# KiCad board OLD_PCB.kicad_pcb (continued)
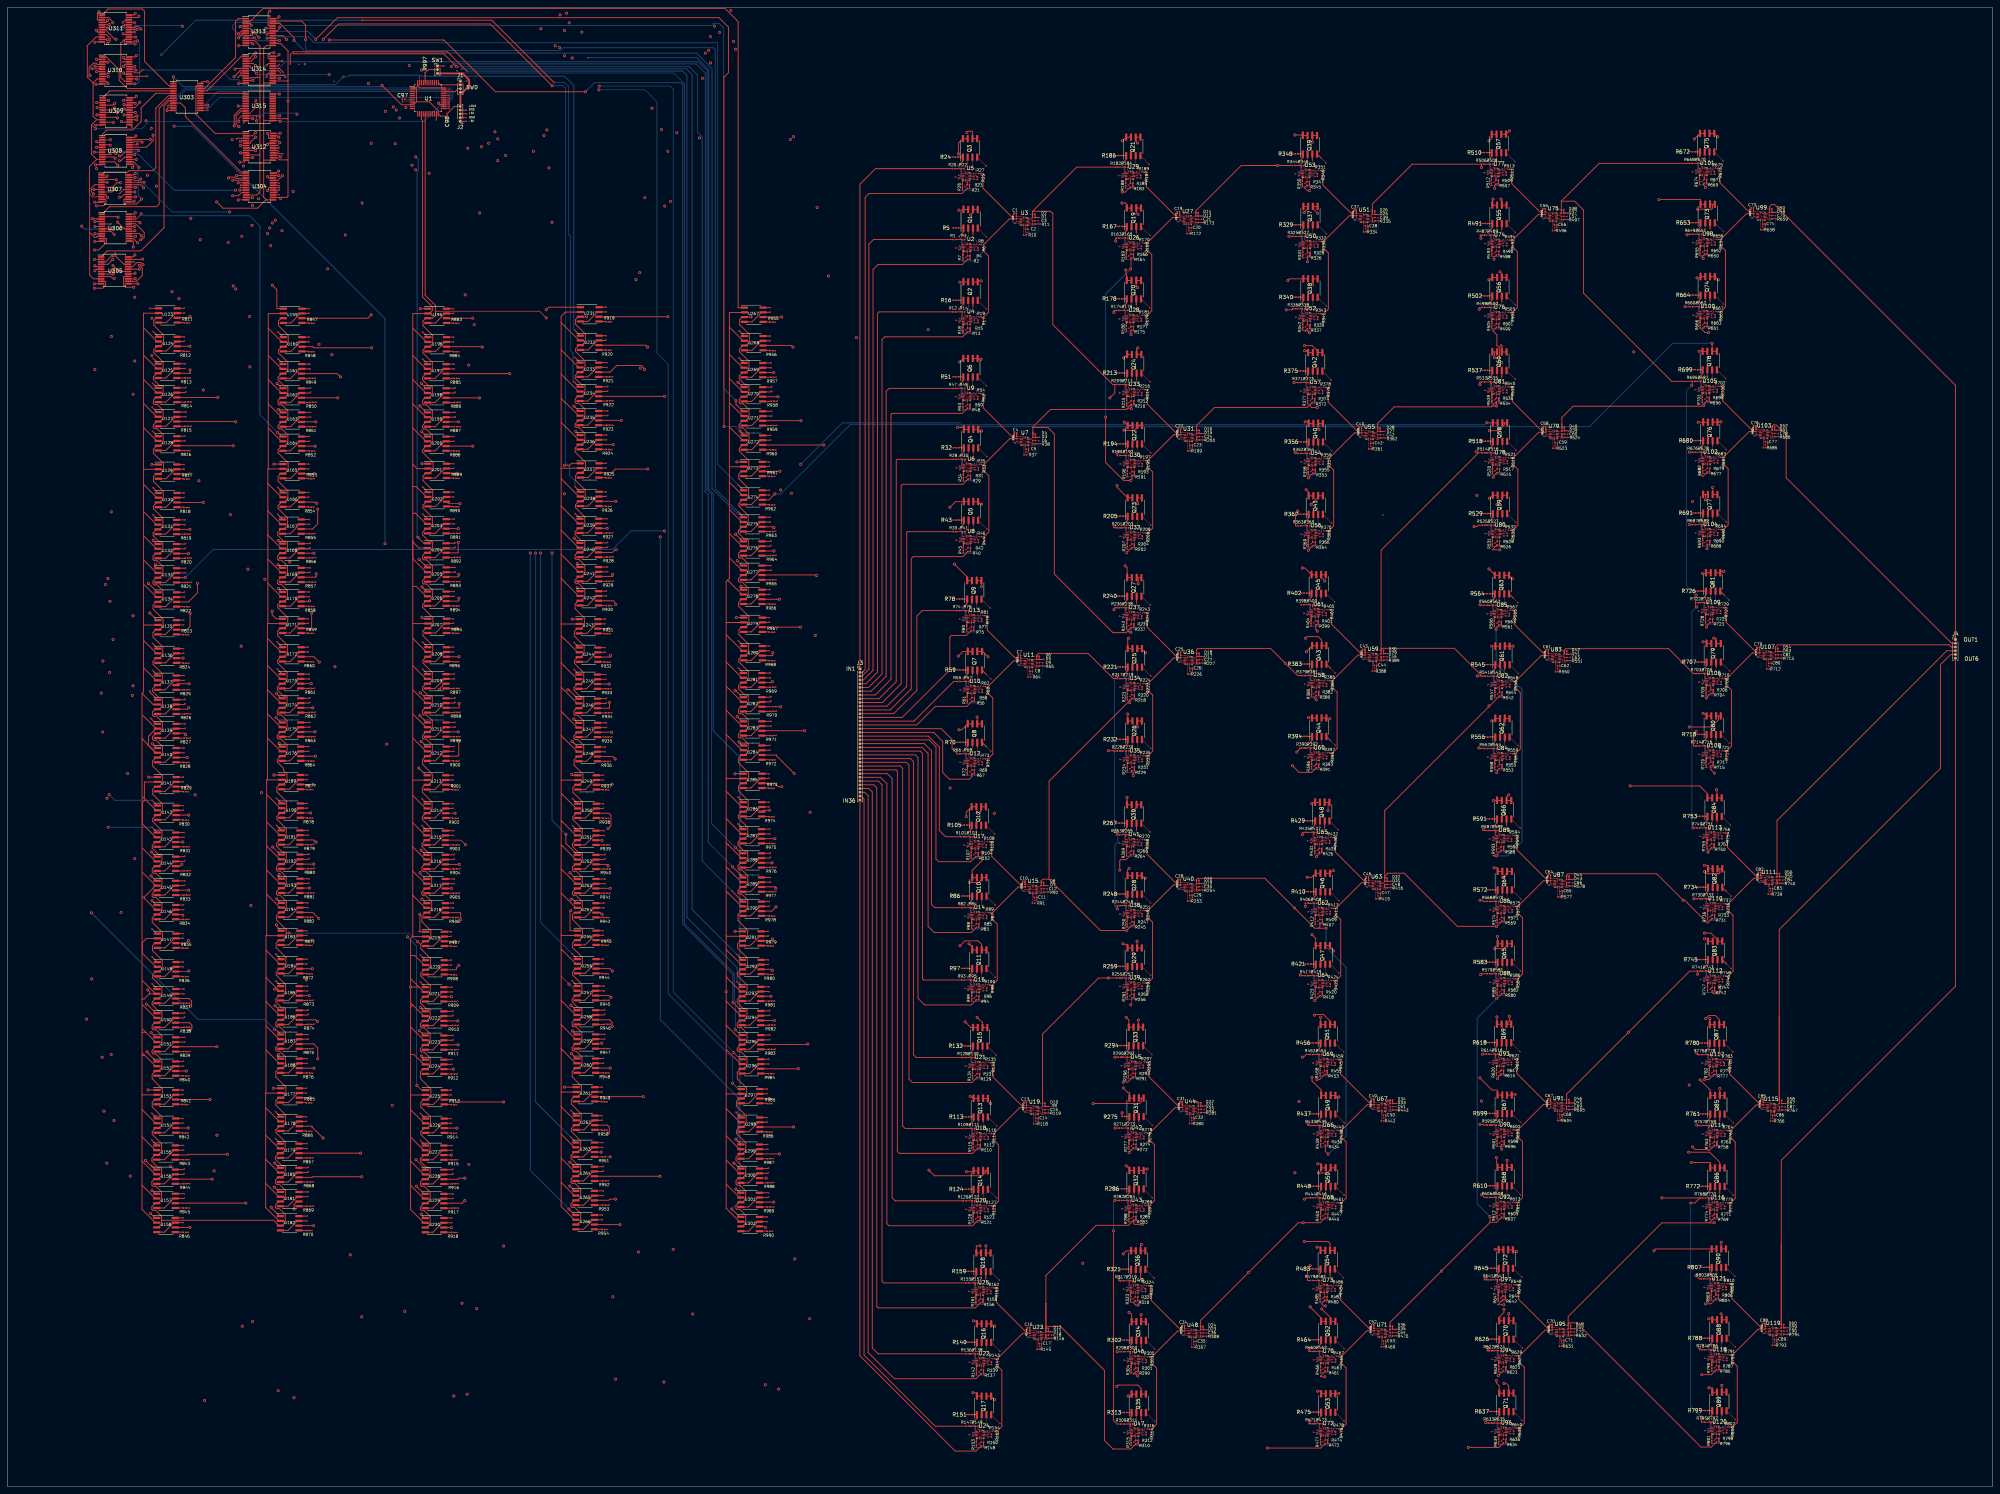
[diagram p0: board, top side]
## Routing (per net, layer and track width the routed paths; a pad name or vN(x,y) marks a point on that pad's centre or on a via; arc(x,y) is an arc through that point) (continued)
  Top w0.1: R646.1 401.13,52.34 v1(401.09,52.31) 400.76,52.64 U97.9 399.59,52.64 399.49,52.74 399.23,52.74 398.53,53.44 U97.2 397.1,53.44 v1(397.08,53.42) ; R141.1 261.81,32.58 v1(261.78,32.55) 261.44,32.88 260.27,32.88 260.17,32.98 259.92,32.98 259.22,33.68 257.78,33.68 v1(257.76,33.66) ; v1(297.78,331.65) 297.8,331.67 U26.2 299.23,331.67 299.93,330.97 300.19,330.97 300.28,330.87 U26.9 301.46,330.87 v1(301.79,330.53) 301.83,330.57 R168.1 ; 318.15,159.29 318.15,159.2 317.78,158.84 317.23,158.84 317.03,159.04 317.03,159.53 316.99,159.58 U40.9 U40.10 315.21,159.98 314.81,160.38 314.36,160.38 ; v1(299.08,34.22) 299.1,34.24 U46.2 300.53,34.24 301.23,33.54 301.49,33.54 301.59,33.44 U46.9 302.76,33.44 v1(303.09,33.11) 303.13,33.14 R303.1 ; 271.69,220.23 272.14,220.23 272.54,219.83 273.59,219.83 273.59,219.43 274.32,219.43 274.36,219.39 274.36,218.9 274.56,218.69 275.11,218.69 275.48,219.06 R65.2 ; v1(452.43,234.27) 452.45,234.29 453.89,234.29 454.59,233.59 454.84,233.59 454.94,233.49 456.11,233.49 v1(456.45,233.15) 456.48,233.19 R727.1 ; R349.1 348.83,349.94 v1(348.79,349.91) 348.46,350.24 U53.9 347.29,350.24 347.19,350.34 346.93,350.34 346.23,351.04 U53.2 344.8,351.04 v1(344.78,351.02) ; R44.1 258.32,252.14 v1(258.29,252.11) 257.95,252.44 256.78,252.44 256.68,252.54 256.43,252.54 255.73,253.24 254.29,253.24 v1(254.27,253.22) ; 354.48,112.5 353.58,112.5 v1(353.54,112.47) 353.21,112.8 352.03,112.8 351.94,112.9 351.68,112.9 350.98,113.6 349.55,113.6 v1(349.53,113.59) ; R592.1 400.69,172.34 v1(400.65,172.31) 400.32,172.64 U89.9 399.15,172.64 399.05,172.74 398.79,172.74 398.09,173.44 U89.2 396.66,173.44 v1(396.64,173.42) ; 353.18,152.9 352.28,152.9 v1(352.24,152.87) 351.91,153.2 350.73,153.2 350.63,153.3 350.38,153.3 349.68,154 348.25,154 v1(348.23,153.99) ; R808.1 458.01,52.59 v1(457.98,52.56) 457.64,52.89 U121.9 456.47,52.89 456.37,52.99 456.12,52.99 455.42,53.69 453.98,53.69 v1(453.96,53.67) ; v1(298.03,273.59) 298.05,273.6 299.48,273.6 300.18,272.9 300.44,272.9 300.53,272.8 301.71,272.8 v1(302.04,272.47) 302.08,272.5 302.98,272.5 ; R38.2 274.43,278.39 274.07,278.03 273.52,278.03 273.31,278.23 273.31,278.72 273.27,278.76 272.55,278.76 272.55,279.16 271.5,279.16 271.1,279.56 270.65,279.56 ; R241.1 301.93,231.84 v1(301.89,231.81) 301.56,232.14 U37.9 300.39,232.14 300.29,232.24 300.03,232.24 299.33,232.94 U37.2 297.9,232.94 v1(297.88,232.92) ; R92.2 276.67,158.67 276.3,158.3 275.75,158.3 275.55,158.51 275.55,159 275.51,159.04 274.78,159.04 274.78,159.44 273.73,159.44 273.33,159.84 272.88,159.84 ; R200.2 318.19,279.43 317.82,279.06 317.27,279.06 317.06,279.27 317.06,279.76 317.02,279.8 U31.9 U31.10 315.25,280.2 314.85,280.6 U31.2 ; R6.1 258.23,330.17 v1(258.19,330.13) 257.86,330.47 U2.9 256.69,330.47 256.58,330.57 256.33,330.57 255.63,331.27 U2.2 254.2,331.27 v1(254.18,331.25) ; U3.2 271,338.26 271.4,337.86 272.45,337.86 272.45,337.46 U3.9 273.17,337.46 273.21,337.42 273.21,336.93 273.42,336.73 273.97,336.73 274.33,337.09 R11.2 ; 315.45,41.24 315.9,41.24 316.3,40.84 317.35,40.84 317.35,40.44 318.07,40.44 318.11,40.4 318.11,39.91 318.32,39.7 318.87,39.7 319.23,40.06 R308.2 ; 469.95,101.64 470.4,101.64 470.8,101.24 471.85,101.24 471.85,100.84 472.57,100.84 472.61,100.8 472.61,100.31 472.82,100.1 473.37,100.1 473.73,100.47 R767.2 ; 369.82,40.25 369.82,40.16 369.45,39.8 368.9,39.8 368.7,40 368.7,40.49 368.66,40.53 367.94,40.53 367.94,40.93 366.88,40.93 366.48,41.33 U71.2 ; J1.1 122.53,375.33 v1(122.6,375.4) ; v1(256.51,133.5) 256.53,133.52 257.96,133.52 258.66,132.82 258.91,132.82 259.01,132.72 260.19,132.72 v1(260.52,132.38) 260.56,132.42 R98.1 ; R611.1 400.81,74.35 v1(400.77,74.32) 400.44,74.65 399.26,74.65 399.16,74.75 398.91,74.75 398.21,75.45 396.78,75.45 v1(396.76,75.44) ; v1(255.32,213.21) 255.34,213.23 256.78,213.23 257.48,212.53 257.73,212.53 257.83,212.43 259,212.43 v1(259.34,212.1) 259.37,212.13 R60.1 ; R476.1 353.71,13.91 v1(353.67,13.88) 353.34,14.21 352.16,14.21 352.06,14.31 351.81,14.31 351.11,15.01 349.68,15.01 v1(349.66,14.99) ; 474.27,40.67 474.27,40.58 473.9,40.22 473.35,40.22 473.15,40.42 473.15,40.91 473.11,40.95 U119.9 U119.10 471.33,41.35 470.93,41.75 470.48,41.75 ; 455.78,350.5 454.88,350.5 v1(454.84,350.47) 454.51,350.8 U101.9 453.33,350.8 453.23,350.9 452.98,350.9 452.28,351.6 U101.2 450.85,351.6 v1(450.83,351.58) ; R233.1 302.07,193.58 v1(302.04,193.55) 301.7,193.88 300.53,193.88 300.43,193.98 300.18,193.98 299.48,194.68 298.04,194.68 v1(298.02,194.66) ; v1(256.51,152.82) 256.53,152.84 257.97,152.84 258.67,152.14 258.92,152.14 259.02,152.04 260.19,152.04 v1(260.53,151.71) 260.56,151.74 R87.1 ; U1.47 110.02,376.38 v1(110,376.4) ; 302.98,212.9 302.08,212.9 v1(302.04,212.87) 301.71,213.2 300.53,213.2 300.44,213.3 300.18,213.3 299.48,214 298.05,214 v1(298.03,213.99) ; 303.28,111.8 302.38,111.8 v1(302.34,111.77) 302.01,112.1 300.83,112.1 300.73,112.2 300.48,112.2 299.78,112.9 298.35,112.9 v1(298.33,112.89) ; v1(257.76,14.34) 257.78,14.35 259.21,14.35 259.91,13.65 260.16,13.65 260.26,13.55 261.44,13.55 v1(261.77,13.22) 261.81,13.25 R152.1 ; 457.54,214.25 456.63,214.25 v1(456.6,214.22) 456.26,214.55 455.09,214.55 454.99,214.65 454.74,214.65 454.04,215.35 452.6,215.35 v1(452.58,215.33) ; v1(256.73,112.79) 256.75,112.8 258.18,112.8 258.88,112.1 259.13,112.1 259.23,112 260.41,112 v1(260.74,111.67) 260.78,111.7 261.68,111.7 ; U99.2 467.8,339.66 468.2,339.26 469.25,339.26 469.25,338.86 U99.9 469.97,338.86 470.01,338.82 470.01,338.33 470.22,338.13 470.77,338.13 471.13,338.49 R659.2 ; U1.35 117.89,373.01 v1(117.9,373) ; v1(454.11,34.74) 454.13,34.75 455.57,34.75 456.27,34.06 456.52,34.06 456.62,33.96 457.79,33.96 v1(458.13,33.62) 458.16,33.65 R789.1 ; v1(453.58,94.62) 453.6,94.64 U114.2 455.03,94.64 455.73,93.94 455.99,93.94 456.09,93.84 U114.9 457.26,93.84 v1(457.59,93.51) 457.63,93.54 R762.1 ; 258.98,349.1 258.08,349.1 v1(258.04,349.07) 257.71,349.4 U5.9 256.53,349.4 256.44,349.5 256.18,349.5 255.48,350.2 U5.2 254.05,350.2 v1(254.03,350.18) ; v1(344.93,332.08) 344.95,332.1 U50.2 346.38,332.1 347.08,331.4 347.33,331.4 347.44,331.3 U50.9 348.61,331.3 v1(348.94,330.97) 348.98,331 349.88,331 ; R384.1 351.31,213.7 v1(351.28,213.67) 350.95,214 349.77,214 349.67,214.1 349.42,214.1 348.72,214.8 347.28,214.8 v1(347.26,214.78) ; U95.2 414.05,41.5 414.45,41.1 U95.10 U95.9 416.22,40.7 416.26,40.66 416.26,40.17 416.47,39.96 417.02,39.96 417.38,40.33 R632.2 ; v1(348.22,134.66) 348.24,134.68 349.68,134.68 350.38,133.98 350.63,133.98 350.73,133.88 351.9,133.88 v1(352.24,133.55) 352.27,133.58 R422.1 ; R179.1 301.82,311.24 v1(301.79,311.21) 301.45,311.54 U28.9 300.28,311.54 300.18,311.64 299.93,311.64 299.23,312.34 U28.2 297.79,312.34 v1(297.77,312.32) ; v1(395.38,313.11) 395.4,313.12 U76.2 396.83,313.12 397.53,312.42 397.78,312.42 397.88,312.32 U76.9 399.06,312.32 v1(399.39,311.99) 399.43,312.02 R503.1 ; R530.1 399.57,253.88 v1(399.54,253.85) 399.2,254.18 398.03,254.18 397.93,254.28 397.68,254.28 396.98,254.98 395.54,254.98 v1(395.52,254.96) ; v1(396.18,195.31) 396.2,195.32 397.63,195.32 398.33,194.62 398.58,194.62 398.69,194.52 399.86,194.52 v1(400.19,194.19) 400.23,194.22 401.13,194.22 ; v1(452.96,155.18) 452.98,155.2 454.42,155.2 455.12,154.5 455.37,154.5 455.47,154.4 456.65,154.4 v1(456.98,154.07) 457.01,154.1 R735.1 ; R268.1 301.89,171.21 v1(301.86,171.18) 301.52,171.52 U41.9 300.35,171.52 300.25,171.62 300,171.62 299.3,172.32 U41.2 297.86,172.32 v1(297.84,172.3) ; v1(344.92,312.76) 344.94,312.78 U52.2 346.38,312.78 347.08,312.08 347.33,312.08 347.43,311.98 U52.9 348.6,311.98 v1(348.94,311.64) 348.97,311.68 R341.1 ; R492.1 399.43,331.35 v1(399.4,331.32) 399.06,331.65 U74.9 397.89,331.65 397.79,331.75 397.54,331.75 396.84,332.45 U74.2 395.4,332.45 v1(395.38,332.43) ; v1(346.19,293.06) 346.21,293.08 347.65,293.08 348.35,292.38 348.6,292.38 348.7,292.28 349.88,292.28 v1(350.21,291.94) 350.24,291.98 R376.1 ; v1(349.68,94.65) 349.7,94.67 351.13,94.67 351.83,93.97 352.08,93.97 352.19,93.87 353.36,93.87 v1(353.69,93.53) 353.73,93.57 354.63,93.57 ; v1(346.34,254.8) 346.36,254.82 U56.2 347.79,254.82 348.49,254.12 348.75,254.12 348.84,254.02 U56.9 350.02,254.02 v1(350.35,253.68) 350.39,253.72 R368.1 ; R403.1 351.16,232.64 v1(351.13,232.6) 350.8,232.94 349.62,232.94 349.52,233.04 349.27,233.04 348.57,233.74 347.13,233.74 v1(347.12,233.72) ; R173.2 317.93,337.49 317.57,337.13 317.02,337.13 316.81,337.33 316.81,337.82 316.77,337.86 U27.9 316.05,337.86 316.05,338.26 315,338.26 314.6,338.66 U27.2 ; 302.94,132.95 302.04,132.95 v1(302,132.92) 301.67,133.25 300.5,133.25 300.39,133.35 300.14,133.35 299.44,134.05 298.01,134.05 v1(297.99,134.04) ; R443.2 369.83,100.49 369.47,100.13 368.92,100.13 368.71,100.33 368.71,100.82 368.67,100.86 367.95,100.86 367.95,101.26 366.9,101.26 366.5,101.66 366.05,101.66 ; R17.1 258.22,310.84 v1(258.19,310.81) 257.85,311.14 U4.9 256.68,311.14 256.58,311.24 256.33,311.24 255.63,311.94 U4.2 254.19,311.94 v1(254.17,311.92) ; 314.85,100.96 315.3,100.96 315.7,100.56 316.75,100.56 316.75,100.16 317.47,100.16 317.51,100.12 317.51,99.63 317.72,99.43 318.27,99.43 318.63,99.79 R281.2 ; U23.2 274.58,40.68 274.98,40.28 U23.10 U23.9 276.76,39.88 276.8,39.83 276.8,39.34 277,39.14 277.55,39.14 277.92,39.5 277.92,39.59 ; 362.71,281.14 363.16,281.14 363.56,280.74 364.61,280.74 364.61,280.34 365.34,280.34 365.38,280.3 365.38,279.81 365.58,279.6 366.13,279.6 366.5,279.97 R362.2 ; v1(452.96,135.86) 452.98,135.88 454.42,135.88 455.12,135.18 455.37,135.18 455.47,135.08 456.64,135.08 v1(456.98,134.74) 457.01,134.78 457.91,134.78 ; R773.1 457.62,74.21 v1(457.59,74.18) 457.25,74.52 U116.9 456.08,74.52 455.98,74.62 455.73,74.62 455.03,75.31 U116.2 453.59,75.31 v1(453.57,75.3) ; R119.2 277.03,99.69 276.67,99.33 276.12,99.33 275.91,99.53 275.91,100.02 275.87,100.06 275.15,100.06 275.15,100.46 274.1,100.46 273.7,100.86 273.25,100.86 ; v1(299.07,14.9) 299.09,14.92 U47.2 300.53,14.92 301.23,14.22 301.48,14.22 301.58,14.12 U47.9 302.75,14.12 v1(303.09,13.78) 303.12,13.81 R314.1 ; v1(255.32,193.89) 255.34,193.91 256.77,193.91 257.47,193.21 257.72,193.21 257.82,193.11 259,193.11 v1(259.33,192.77) 259.36,192.81 260.27,192.81 ; v1(297.63,350.58) 297.65,350.6 U29.2 299.08,350.6 299.78,349.9 300.03,349.9 300.13,349.8 U29.9 301.31,349.8 v1(301.64,349.47) 301.68,349.5 302.58,349.5 ; v1(397.23,34.49) 397.25,34.5 398.68,34.5 399.38,33.8 399.63,33.8 399.73,33.7 400.91,33.7 v1(401.24,33.37) 401.28,33.4 402.18,33.4 ; v1(396.18,214.63) 396.2,214.65 397.64,214.65 398.34,213.95 398.59,213.95 398.69,213.85 399.86,213.85 v1(400.2,213.52) 400.23,213.55 R546.1 ; R160.1 261.66,51.51 v1(261.63,51.48) 261.29,51.81 U25.9 260.12,51.81 260.02,51.92 259.77,51.92 259.07,52.62 U25.2 257.63,52.62 v1(257.61,52.6) ; 401.74,153.4 400.84,153.4 v1(400.8,153.37) 400.47,153.7 399.29,153.7 399.19,153.8 398.94,153.8 398.24,154.5 396.81,154.5 v1(396.79,154.49) ; v1(298.02,254.26) 298.04,254.28 299.48,254.28 300.18,253.58 300.43,253.58 300.53,253.48 301.7,253.48 v1(302.04,253.15) 302.07,253.18 R206.1 ; R781.1 457.48,112.48 v1(457.44,112.44) 457.11,112.78 455.94,112.78 455.84,112.88 455.58,112.88 454.88,113.58 453.45,113.58 v1(453.43,113.56) ; R511.1 399.28,350.28 v1(399.25,350.25) 398.91,350.59 U77.9 397.74,350.59 397.64,350.69 397.39,350.69 396.69,351.39 U77.2 395.25,351.39 v1(395.23,351.37) ; v1(348.08,172.92) 348.1,172.94 U65.2 349.53,172.94 350.23,172.24 350.49,172.24 350.59,172.14 U65.9 351.76,172.14 v1(352.09,171.81) 352.13,171.84 R430.1 ; v1(452.82,174.12) 452.83,174.14 454.27,174.14 454.97,173.44 455.22,173.44 455.32,173.34 456.5,173.34 v1(456.83,173) 456.86,173.04 R754.1 ; R740.2 473.12,161.03 472.76,160.66 472.21,160.66 472,160.87 472,161.36 471.96,161.4 U111.9 U111.10 470.19,161.8 469.79,162.2 U111.2 ; v1(256.87,74.52) 256.89,74.54 258.33,74.54 259.03,73.84 259.28,73.84 259.38,73.74 260.55,73.74 v1(260.89,73.41) 260.92,73.44 R125.1 ; 259.23,271.47 258.33,271.47 v1(258.29,271.43) 257.96,271.77 256.78,271.77 256.69,271.87 256.43,271.87 255.73,272.57 254.3,272.57 v1(254.28,272.55) ; R214.1 301.93,291.44 v1(301.89,291.41) 301.56,291.74 U33.9 300.39,291.74 300.29,291.84 300.03,291.84 299.33,292.54 U33.2 297.9,292.54 v1(297.88,292.52) ; R538.1 399.43,292.14 v1(399.39,292.11) 399.06,292.44 U81.9 397.89,292.44 397.79,292.54 397.53,292.54 396.83,293.24 U81.2 395.4,293.24 v1(395.38,293.22) ; R497.2 415.54,338.27 415.17,337.91 414.62,337.91 414.42,338.11 414.42,338.6 414.38,338.65 U75.9 U75.10 412.6,339.05 412.2,339.45 U75.2 ; 352.21,194.38 351.31,194.38 v1(351.28,194.34) 350.94,194.68 349.77,194.68 349.67,194.78 349.42,194.78 348.72,195.48 347.28,195.48 v1(347.26,195.46) ; v1(255.17,232.15) 255.19,232.17 256.63,232.17 257.33,231.47 257.58,231.47 257.68,231.37 258.85,231.37 v1(259.19,231.03) 259.22,231.07 260.12,231.07 ; 456.63,273.37 455.73,273.37 v1(455.69,273.33) 455.36,273.67 454.19,273.67 454.08,273.77 453.83,273.77 453.13,274.47 451.7,274.47 v1(451.68,274.45) ; v1(451.67,255.12) 451.69,255.14 453.13,255.14 453.83,254.44 454.08,254.44 454.18,254.34 455.35,254.34 v1(455.69,254.01) 455.72,254.04 R692.1 ; v1(396.61,113.7) 396.63,113.72 398.07,113.72 398.77,113.02 399.02,113.02 399.12,112.92 U93.9 400.29,112.92 v1(400.63,112.58) 400.66,112.61 R619.1 ; v1(450.98,332.65) 451,332.67 U98.2 452.43,332.67 453.13,331.97 453.38,331.97 453.48,331.87 U98.9 454.66,331.87 v1(454.99,331.53) 455.03,331.57 R654.1 ; R249.1 302.04,152.28 v1(302.01,152.25) 301.67,152.58 300.5,152.58 300.4,152.68 300.15,152.68 299.45,153.38 298.01,153.38 v1(297.99,153.36) ; U59.2 364.09,221.8 364.49,221.4 U59.10 U59.9 366.26,221 366.3,220.96 366.3,220.47 366.51,220.26 367.06,220.26 367.42,220.63 R389.2 ; R465.1 353.71,33.23 v1(353.68,33.2) 353.34,33.54 352.17,33.54 352.07,33.64 351.82,33.64 351.12,34.34 349.68,34.34 v1(349.66,34.32) ; 400.48,273.2 399.58,273.2 v1(399.54,273.17) 399.21,273.5 398.03,273.5 397.94,273.6 397.68,273.6 396.98,274.3 395.55,274.3 v1(395.53,274.29) ; v1(454.11,15.41) 454.13,15.43 455.56,15.43 456.26,14.73 456.51,14.73 456.61,14.63 457.79,14.63 v1(458.12,14.3) 458.16,14.33 R800.1 ; 468.05,281.46 468.5,281.46 468.9,281.06 469.95,281.06 469.95,280.66 470.67,280.66 470.71,280.62 470.71,280.13 470.92,279.93 471.47,279.93 471.83,280.29 R686.2 ; 456.48,292.3 455.58,292.3 v1(455.54,292.27) 455.21,292.6 454.03,292.6 453.94,292.7 453.68,292.7 452.98,293.4 451.55,293.4 v1(451.53,293.38) ; v1(298.47,74.62) 298.49,74.64 299.93,74.64 300.63,73.94 300.88,73.94 300.98,73.84 302.15,73.84 v1(302.49,73.51) 302.52,73.54 R287.1 ; 470.85,221.55 470.85,221.95 469.8,221.95 469.4,222.35 468.95,222.35 ; 470.85,221.55 471.58,221.55 471.62,221.51 471.62,221.02 471.82,220.81 472.37,220.81 472.74,221.18 R713.2 ; 470.85,221.55 U107.9 ; R449.1 353.72,74.24 v1(353.69,74.21) 353.35,74.54 352.18,74.54 352.08,74.64 351.83,74.64 351.13,75.34 349.69,75.34 v1(349.67,75.32) ; v1(450.97,313.32) 450.99,313.34 U100.2 452.43,313.34 453.13,312.64 453.38,312.64 453.48,312.54 U100.9 454.65,312.54 v1(454.99,312.21) 455.02,312.24 R665.1 ; R416.2 368.38,159.83 368.02,159.46 367.47,159.46 367.26,159.67 367.26,160.16 367.22,160.2 U63.9 U63.10 365.45,160.6 365.05,161 U63.2 ; R551.2 416.34,220.48 415.97,220.11 415.42,220.11 415.22,220.32 415.22,220.81 415.18,220.85 U83.9 U83.10 413.4,221.25 413,221.65 U83.2 ; v1(346.34,274.12) 346.36,274.14 U54.2 347.8,274.14 348.5,273.44 348.75,273.44 348.85,273.34 U54.9 350.02,273.34 v1(350.36,273.01) 350.39,273.04 R357.1 ; v1(349.51,53.25) 349.53,53.27 350.97,53.27 351.67,52.57 351.92,52.57 352.02,52.47 353.19,52.47 v1(353.53,52.14) 353.56,52.17 354.47,52.17 ; R335.2 365.08,337.93 364.72,337.56 364.17,337.56 363.96,337.77 363.96,338.26 363.92,338.3 U51.9 U51.10 362.15,338.7 361.75,339.1 U51.2 ; U1.8 105.71,370.01 v1(105.4,369.7) 105.38,369.72 C97.1 ; U36.2 314.85,221 315.25,220.6 U36.10 U36.9 317.02,220.2 317.06,220.16 317.06,219.67 317.27,219.46 317.82,219.46 318.19,219.83 R227.2 ; v1(298.93,53.16) 298.95,53.18 300.38,53.18 301.08,52.48 301.34,52.48 301.44,52.38 302.61,52.38 v1(302.94,52.04) 302.98,52.08 R322.1 ; R565.1 400.08,232.49 v1(400.05,232.45) 399.71,232.79 398.54,232.79 398.44,232.89 398.19,232.89 397.49,233.59 396.05,233.59 v1(396.03,233.57) ; R638.1 401.27,14.08 v1(401.24,14.05) 400.9,14.38 399.73,14.38 399.63,14.48 399.38,14.48 398.68,15.18 397.24,15.18 v1(397.22,15.16) ; R600.1 400.81,93.68 v1(400.78,93.65) 400.44,93.98 399.27,93.98 399.17,94.08 398.92,94.08 398.22,94.78 396.78,94.78 v1(396.76,94.76) ; 413.13,101.78 413.58,101.78 413.98,101.38 U91.10 U91.9 415.76,100.98 415.8,100.93 415.8,100.44 416,100.24 416.55,100.24 416.92,100.6 416.92,100.69 ; v1(298.48,93.95) 298.5,93.97 299.93,93.97 300.63,93.27 300.88,93.27 300.98,93.17 302.16,93.17 v1(302.49,92.83) 302.53,92.87 303.43,92.87 ; v1(396.78,135.16) 396.8,135.18 398.24,135.18 398.94,134.48 399.19,134.48 399.29,134.38 400.46,134.38 v1(400.8,134.05) 400.83,134.08 R584.1 ; v1(254.13,291.49) 254.15,291.5 255.58,291.5 256.28,290.8 256.53,290.8 256.63,290.7 257.81,290.7 v1(258.14,290.37) 258.18,290.4 259.08,290.4 ; v1(452.58,196.01) 452.6,196.03 454.03,196.03 454.73,195.33 454.98,195.33 455.08,195.23 456.26,195.23 v1(456.59,194.89) 456.63,194.92 457.53,194.92 ; 261.83,92.77 260.93,92.77 v1(260.89,92.73) 260.56,93.07 259.38,93.07 259.28,93.17 259.03,93.17 258.33,93.87 256.9,93.87 v1(256.88,93.85) ; U79.2 412.35,281.3 412.75,280.9 U79.10 U79.9 414.52,280.5 414.56,280.46 414.56,279.97 414.77,279.76 415.32,279.76 415.69,280.13 R524.2 ; R106.1 260.41,170.68 v1(260.38,170.65) 260.04,170.98 258.87,170.98 258.77,171.08 258.52,171.08 257.82,171.78 256.38,171.78 v1(256.36,171.76) ; U87.2 413.61,161.5 414.01,161.1 U87.10 U87.9 415.78,160.7 415.82,160.66 415.82,160.17 416.03,159.96 416.58,159.96 416.94,160.33 R578.2
  Top w0.15: R286.1 295.76,79.5 v2(295.76,79.5)
  Top w0.2: v2(62,353.7) 63.18,353.7 U312.12 ; v1(63.1,364.2) 63.6,364.7 U315.12 ; U313.15 72.58,386.18 v2(72.6,386.2) ; v2(72.6,376.1) 72.58,376.12 70.8,376.12 ; v1(72.5,345) 70.98,345 U304.15 ; v2(72.9,355.1) 72.48,355.53 70.9,355.53 ; U313.12 61.77,384.88 v2(61.7,384.8) ; v2(61.6,343.6) 61.62,343.62 U304.12
  Top w0.25: v1(344.56,279) R356.1 ; v1(119.5,202.85) 119.44,202.79 U211.7 116.7,202.79 114.16,200.25 112.12,200.25 ; U233.4 154.91,296.35 157.45,298.88 160.02,298.88 v1(160.05,298.85) ; v2(72.7,366.1) 72.68,366.08 U315.15 ; v1(119.21,279.15) 119.19,279.13 U200.7 116.71,279.13 114.17,276.6 U200.4 ; v1(393.75,279.16) 394.63,279.16 ; U234.4 154.91,289.9 157.45,292.44 U234.7 160.03,292.44 v1(160.25,292.65) ; 474.89,102.28 D57.1 473.71,102.29 473.71,103.17 ; v1(119.51,285.65) 119.44,285.59 U199.7 116.71,285.59 114.17,283.05 U199.4 ; U213.4 114.09,186.15 116.63,188.69 U213.7 118.87,188.69 v1(118.93,188.75) ; R524.2 417.14,280.21 ; v1(160.25,286.05) 160.19,285.99 U235.7 157.45,285.99 154.91,283.45 U235.4 ; v1(254.95,117.66) 255.83,117.66 ; U292.4 198.28,136.85 200.82,139.39 U292.7 203.06,139.39 v1(203.12,139.46) ; 417.49,222.29 D41.1 416.31,222.3 D42.2 ; v1(345.49,219.66) R383.1 ; U308.15 34.38,354.43 v2(34.4,354.4) ; v1(451.65,118.44) 452.53,118.44 ; v1(119.13,173.85) 119.09,173.89 U215.7 116.53,173.89 113.99,171.35 U215.4 ; U138.4 42.08,206.32 44.62,208.86 47.21,208.86 v1(47.42,209.07) ; U182.4 74.9,68.41 77.44,70.95 79.93,70.95 v1(79.94,70.96) ; U188.4 74.98,110.47 77.53,113 U188.7 80.01,113 v1(80.03,113.02) ; U131.4 42.21,254.35 44.75,256.88 U131.7 47.31,256.88 v1(47.35,256.85) ; U160.4 75.68,303.15 78.22,305.69 U160.7 80.46,305.69 v1(80.53,305.75) ; v1(119.33,257.06) 119.29,257.09 U203.7 116.72,257.09 114.18,254.55 U203.4 ; U267.4 198.81,311.05 201.35,313.59 U267.7 203.59,313.59 v1(203.65,313.65) ; U308.12 25.17,353 v2(23.5,353) ; U294.4 198.18,123.2 200.72,125.74 U294.7 203.31,125.74 v1(203.53,125.96) ; U168.4 75.48,248 78.02,250.54 U168.7 80.61,250.54 v1(80.83,250.76) ; v1(203.65,306.05) 203.59,305.99 U268.7 201.35,305.99 198.81,303.45 U268.4 ; v1(80.32,222.95) 80.26,222.89 78.02,222.89 75.48,220.35 U172.4 ; v1(255.98,19.21) R151.1 ; 32.4,387.12 34.17,387.12 v2(34.2,387.1) ; v1(394.98,99.64) 395.86,99.64 ; U265.4 153.79,75.15 156.33,77.69 U265.7 159.06,77.69 v1(159.13,77.75) ; 39.92,122.61 41.96,122.61 44.5,125.15 U150.7 47.09,125.15 v1(47.3,125.36) ; v1(118.72,89.75) 118.69,89.79 U227.7 116.12,89.79 113.58,87.25 U227.4 ; v1(47.12,173.36) 47.09,173.39 U143.7 44.52,173.39 41.98,170.85 U143.4 ; v1(253.54,218.09) 254.42,218.09 ; U165.4 75.58,269.25 78.12,271.79 U165.7 80.36,271.79 v1(80.43,271.86) ; 275.59,280.21 274.42,280.21 274.41,280.22 D4.2 ; v1(203.72,168.06) 203.51,167.84 U288.7 200.92,167.84 198.38,165.3 U288.4 ; v2(53.5,368.9) 51.57,368.9 U303.15 ; R38.2 275.89,278.48 ; v1(254.58,176.64) 255.46,176.64 ; 32.6,365.03 34.48,365.03 v2(34.5,365) ; v1(344.56,259.68) R367.1 ; v2(34.2,344.4) 34.17,344.43 U307.15 ; U243.4 154.69,227.85 157.23,230.39 U243.7 159.47,230.39 v1(159.53,230.45) ; U296.4 198.18,110.3 200.72,112.84 U296.7 203.21,112.84 v1(203.22,112.86) ; v1(118.93,119.25) 118.87,119.19 U223.7 116.13,119.19 113.59,116.65 U223.4 ; v1(47.15,271.75) 47.09,271.69 U129.7 44.85,271.69 42.31,269.14 U129.4 ; v1(345.48,200.34) 346.36,200.34 ; v1(80.1,188.82) 80.04,188.76 77.8,188.76 75.26,186.22 U189.4 ; v1(347.9,99.53) 348.78,99.53 ; U255.4 154.21,144.65 156.75,147.19 U255.7 158.99,147.19 v1(159.05,147.25) ; v1(47,112.26) 46.98,112.25 U152.7 44.5,112.25 41.96,109.71 U152.4 ; v1(203.85,203.15) 203.78,203.09 U283.7 201.05,203.09 198.51,200.55 U283.4 ; U137.4 42.08,212.77 44.62,215.31 47.19,215.31 v1(47.23,215.27) ; U145.4 41.98,157.95 44.52,160.49 U145.7 47.26,160.49 v1(47.32,160.56) ; U230.4 113.58,67.9 116.12,70.44 U230.7 118.61,70.44 v1(118.62,70.46) ; v1(47.02,222.57) 46.96,222.51 44.72,222.51 42.18,219.97 U136.4 ; U151.4 41.96,116.16 44.5,118.7 47.23,118.7 v1(47.3,118.76) ; v1(451.79,80.18) R772.1 ; v1(119.31,298.45) 119.28,298.49 U197.7 116.71,298.49 114.17,295.95 U197.4 ; 195.81,87.55 197.85,87.55 200.39,90.09 U299.7 202.96,90.09 v1(202.99,90.05) ; U287.4 198.38,171.75 200.92,174.29 U287.7 203.49,174.29 v1(203.53,174.26) ; U242.4 154.88,235.3 157.42,237.84 U242.7 159.91,237.84 v1(159.93,237.86) ; v1(449.9,279.33) 450.78,279.33 ; U282.4 198.51,207 201.05,209.54 U282.7 203.64,209.54 v1(203.85,209.75) ; v1(47.23,313.46) 47.16,313.39 U123.7 44.92,313.39 42.38,310.85 U123.4 ; U260.4 154.11,110.5 156.65,113.04 U260.7 159.14,113.04 v1(159.15,113.05) ; v1(203.12,147.06) 203.06,146.99 U291.7 200.82,146.99 198.28,144.45 U291.4 ; v1(297.29,19.78) R313.1 ; 152.18,137.05 154.21,137.05 156.75,139.59 U256.7 158.99,139.59 v1(159.05,139.65) ; D26.2 365.06,339.75 D25.1 366.24,339.74 ; v1(203.85,298.75) 203.81,298.79 U269.7 201.25,298.79 198.71,296.25 U269.4 ; v1(119.1,230.55) 119.03,230.49 U207.7 116.8,230.49 114.26,227.95 U207.4 ; U153.4 41.98,102.09 44.52,104.62 U153.7 46.76,104.62 v1(46.82,104.69) ; v1(80.33,119.52) 80.26,119.46 U187.7 77.53,119.46 74.98,116.92 U187.4 ; v1(343,355.9) R348.1 ; U302.4 197.85,68.2 200.39,70.74 U302.7 202.88,70.74 v1(202.89,70.75) ; U293.4 198.18,129.65 200.72,132.19 U293.7 203.29,132.19 v1(203.33,132.16) ; v1(80.52,215.65) 80.48,215.69 U173.7 77.92,215.69 75.38,213.15 73.34,213.15 ; v1(119.12,264.36) 119.06,264.29 U202.7 116.82,264.29 114.28,261.75 U202.4 ; 369.82,40.25 371.28,40.25 ; v1(79.84,97.56) 79.78,97.5 U178.7 77.54,97.5 75,94.96 72.97,94.96 ; v1(203.33,181.56) 203.26,181.49 U286.7 201.02,181.49 198.48,178.95 U286.4 ; v1(203.53,119.36) 203.46,119.29 U295.7 200.72,119.29 198.18,116.75 U295.4 ; D22.2 318.61,101.62 318.62,101.61 319.79,101.61 ; U185.4 74.98,129.81 77.53,132.36 U185.7 80.09,132.36 v1(80.13,132.32) ; R686.2 473.29,280.38 ; 319.09,339.31 D13.1 317.91,339.31 D14.2 ; v1(252.4,336.13) R5.1 ; 367.65,281.78 366.48,281.78 366.47,281.79 D28.2 ; U248.4 154.59,193.7 157.13,196.24 U248.7 159.62,196.24 v1(159.63,196.25) ; v1(80.33,126.12) 80.11,125.91 U186.7 77.53,125.91 74.98,123.37 72.95,123.37 ; U135.4 42.18,227.57 44.72,230.11 46.96,230.11 v1(47.02,230.17) ; U134.4 42.21,235 44.75,237.54 U134.7 47.23,237.54 v1(47.25,237.55) ; U219.4 113.69,144.35 116.23,146.89 118.47,146.89 v1(118.53,146.95) ; v1(449.05,356.46) 449.93,356.46 ; v1(203.65,257.55) 203.62,257.59 U275.7 201.05,257.59 198.51,255.05 U275.4 ; U147.4 42.06,143.86 44.6,146.4 U147.7 46.84,146.4 v1(46.9,146.46) ; v1(203.72,161.46) 203.66,161.39 U289.7 200.92,161.39 198.38,158.85 U289.4 ; v2(23.3,385.7) 23.42,385.83 U311.12 ; v1(119.12,271.96) 119.06,271.89 U201.7 116.82,271.89 114.28,269.35 U201.4 ; v1(47.32,279.25) 47.31,279.24 U128.7 44.82,279.24 42.28,276.7 U128.4 ; v1(203.65,215.95) 203.62,215.99 U281.7 201.05,215.99 198.51,213.45 U281.4 ; v1(80.72,209.45) 80.51,209.24 U174.7 77.92,209.24 75.38,206.7 73.34,206.7 ; v1(449.89,260) 450.77,260 ; 472.99,282.11 471.82,282.11 471.81,282.12 D52.2 ; U222.4 113.59,123.1 116.13,125.64 118.72,125.64 v1(118.93,125.85) ; v1(203.85,244.75) 203.78,244.69 U277.7 201.05,244.69 198.51,242.15 U277.4 ; v1(47.55,244.05) 47.48,243.99 U133.7 44.75,243.99 42.21,241.45 U133.4 ; R740.2 474.58,161.11 ; 418.54,42.14 417.37,42.14 417.36,42.15 D48.2 ; v1(80.62,256.96) 80.59,256.99 U167.7 78.02,256.99 75.48,254.45 U167.4 ; v1(80.2,154.62) 80.19,154.61 U194.7 77.7,154.61 75.16,152.07 73.12,152.07 ; U171.4 75.48,227.95 78.02,230.49 80.26,230.49 v1(80.32,230.55) ; v1(203.45,223.25) 203.39,223.19 U280.7 201.15,223.19 198.61,220.65 U280.4 ; v1(47.22,76.99) 47.16,76.93 U157.7 44.42,76.93 41.88,74.39 U157.4 ; v1(393.6,337.31) R491.1 ; v1(203.43,154.96) 203.41,154.94 U290.7 200.92,154.94 198.38,152.4 U290.4 ; v1(295.85,355.46) 296.73,355.46 ; v2(23.6,363.6) 25.27,363.6 U309.12 ; U146.4 41.98,151.5 44.52,154.04 U146.7 47.01,154.04 v1(47.02,154.06) ; v1(296.25,218.86) 297.13,218.86 ; R335.2 366.54,338.01 ; v1(159.85,313.75) 159.78,313.69 157.55,313.69 155.01,311.15 U231.4 ; v1(80.83,244.16) 80.76,244.09 U169.7 78.02,244.09 75.48,241.55 U169.4 ; v1(452.33,39.62) 453.21,39.62 ; U254.4 154.19,152 156.73,154.54 U254.7 159.22,154.54 v1(159.23,154.55) ; R632.2 418.84,40.41 ; U251.4 154.19,171.35 156.73,173.89 U251.7 159.3,173.89 v1(159.33,173.85) ; U245.4 154.59,213.05 157.13,215.59 U245.7 159.69,215.59 v1(159.73,215.55) ; v1(118.53,139.35) 118.47,139.29 U220.7 116.23,139.29 113.69,136.75 111.66,136.75 ; 73.12,158.52 75.16,158.52 77.7,161.06 80.44,161.06 v1(80.5,161.12) ; U250.4 154.29,178.55 156.83,181.09 U250.7 159.06,181.09 v1(159.13,181.15) ; U314.12 63.48,374.7 v2(61.7,374.7) ; U130.4 42.31,261.55 44.85,264.09 U130.7 47.09,264.09 v1(47.15,264.15) ; v1(203.19,77.25) 203.12,77.19 U301.7 200.39,77.19 197.85,74.65 U301.4 ; 279.07,41.32 D11.1 277.89,41.33 277.89,42.21 ; v1(118.93,76.96) 118.86,76.89 U229.7 116.12,76.89 113.58,74.35 U229.4 ; U259.4 154.11,116.95 156.65,119.49 U259.7 159.39,119.49 v1(159.45,119.55) ; v1(119.5,209.45) 119.28,209.24 U210.7 116.7,209.24 114.16,206.7 112.12,206.7 ; v1(80.1,181.22) 80.04,181.16 77.8,181.16 75.26,178.62 U190.4 ; 319.34,281.24 318.17,281.24 318.16,281.25 D16.2 ; R275.1 297.58,99.78 v2(297.6,99.8) ; v1(295.99,317.2) R178.1 ; U140.4 42.08,193.42 44.62,195.96 47.11,195.96 v1(47.12,195.97) ; v1(203.55,238.25) 203.53,238.24 U278.7 201.05,238.24 198.51,235.7 U278.4 ; D32.2 368.36,161.65 368.37,161.64 369.54,161.64 ; v1(158.73,97.85) 158.66,97.79 U262.7 156.43,97.79 153.89,95.25 151.86,95.25 ; 72.97,102.56 75,102.56 77.54,105.1 U177.7 79.78,105.1 v1(79.84,105.16) ; R443.2 371.29,100.58 ; U216.4 113.99,164.9 116.53,167.44 119.12,167.44 v1(119.33,167.65) ; v1(158.73,105.45) 158.66,105.39 U261.7 156.43,105.39 153.89,102.85 U261.4 ; v1(119.11,313.35) 119.05,313.29 U195.7 116.81,313.29 114.27,310.75 U195.4 ; v1(202.79,104.95) 202.72,104.89 U297.7 200.49,104.89 197.95,102.35 U297.4 ; U241.4 154.88,241.75 157.42,244.29 U241.7 160.16,244.29 v1(160.22,244.36) ; v1(159.95,279.55) 159.94,279.54 U236.7 157.45,279.54 154.91,277 U236.4 ; U156.4 41.88,80.84 44.42,83.38 U156.7 47.01,83.38 v1(47.22,83.59) ; U205.4 114.18,241.65 116.72,244.19 U205.7 119.46,244.19 v1(119.53,244.26) ; U214.4 114.09,178.55 116.63,181.09 U214.7 118.87,181.09 v1(118.93,181.15) ; v1(114.5,365) 114.52,365.02 U1.23 ; v1(394.25,238.45) R564.1 ; v1(394.83,118.58) R618.1 ; v1(393.6,298.1) R537.1 ; v2(23.3,332.5) 25.07,332.5 U306.12 ; v1(255.84,57.48) R159.1 ; U238.4 154.98,261.85 157.52,264.39 U238.7 159.76,264.39 v1(159.83,264.46) ; 319.3,161.02 D19.1 318.12,161.03 318.12,161.91 ; v1(119.22,237.76) 119.21,237.74 U206.7 116.72,237.74 114.18,235.2 U206.4 ; v1(297.15,58.04) 298.03,58.04 ; U218.4 113.99,152 116.53,154.54 U218.7 119.02,154.54 v1(119.03,154.55) ; v1(47.32,167.16) 47.11,166.94 U144.7 44.52,166.94 41.98,164.4 U144.4 ; 473.89,222.99 D53.1 472.71,223 D54.2 ; v1(203.85,251.35) 203.64,251.14 U276.7 201.05,251.14 198.51,248.6 U276.4 ; v1(296,336.53) R167.1 ; v1(296.1,237.8) R240.1 ; v1(159.45,126.15) 159.24,125.94 U258.7 156.65,125.94 154.11,123.4 U258.4 ; 195.91,94.75 197.95,94.75 200.49,97.29 U298.7 202.72,97.29 v1(202.79,97.35) ; v1(394.86,178.3) R591.1 ; v1(80.73,298.46) 80.69,298.49 U161.7 78.12,298.49 75.58,295.95 U161.4 ; U198.4 114.17,289.5 116.71,292.04 U198.7 119.3,292.04 v1(119.51,292.25) ; D2.2 274.31,338.91 D1.1 v1(275.49,338.91) ; v1(255.09,79.4) 255.97,79.4 ; 416.84,281.94 415.67,281.94 415.66,281.95 D40.2 ; 111.56,129.55 113.59,129.55 116.13,132.09 U221.7 118.69,132.09 v1(118.73,132.05) ; v1(451.18,140.74) 452.06,140.74 ; v1(119.3,215.65) 119.27,215.69 U209.7 116.7,215.69 114.16,213.15 112.12,213.15 ; v1(254.73,157.7) 255.61,157.7 ; U300.4 197.85,81.1 200.39,83.64 202.97,83.64 v1(203.19,83.85) ; J2.2 v1(122.5,365.6) ; v1(203.45,264.85) 203.39,264.79 U274.7 201.15,264.79 198.61,262.25 U274.4 ; 368.57,222.44 D29.1 367.4,222.45 D30.2 ; v2(34.5,375.9) 34.48,375.93 32.5,375.93 ; D18.2 318.16,221.65 318.17,221.64 319.34,221.64 ; v1(80.04,90.26) 80.01,90.3 77.44,90.3 74.9,87.75 U179.4 ; v1(252.25,355.06) 253.13,355.06 ; v1(297.3,39.1) R302.1 ; v1(159.53,222.85) 159.47,222.79 U244.7 157.23,222.79 154.69,220.25 U244.4 ; U124.4 42.38,303.25 44.92,305.79 U124.7 47.16,305.79 v1(47.23,305.86) ; U141.4 42.08,185.65 44.62,188.19 U141.7 46.86,188.19 v1(46.92,188.26) ; U170.4 75.48,235.1 78.02,237.64 U170.7 80.51,237.64 v1(80.53,237.66) ; v1(159.85,306.15) 159.78,306.09 U232.7 157.55,306.09 155.01,303.55 U232.4 ; v1(158.83,71.25) 158.81,71.24 U266.7 156.33,71.24 153.79,68.7 U266.4 ; U224.4 113.59,110.2 116.13,112.74 U224.7 118.62,112.74 v1(118.63,112.75) ; R497.2 417,338.36 ; 474.27,162.84 D55.1 473.1,162.85 D56.2 ; v1(254.73,138.38) R97.1 ; U257.4 154.11,129.85 156.65,132.39 U257.7 159.22,132.39 v1(159.25,132.35) ; v1(451.19,160.06) R734.1 ; R308.2 320.69,40.15 ; v1(46.92,180.66) 46.86,180.59 U142.7 44.62,180.59 42.08,178.05 U142.4 ; v1(47.42,298.56) 47.39,298.59 U125.7 44.82,298.59 42.28,296.05 U125.4 ; R389.2 368.88,220.71 ; v1(118.53,104.66) 118.46,104.59 U225.7 116.22,104.59 113.68,102.05 U225.4 ; v1(449.2,337.53) R653.1 ; 418.1,162.14 416.93,162.14 416.92,162.15 D44.2 ; v1(347.88,39.2) 348.76,39.2 ; U249.4 154.29,186.15 156.83,188.69 U249.7 159.06,188.69 v1(159.13,188.75) ; v1(47.62,292.36) 47.41,292.14 U126.7 44.82,292.14 42.28,289.6 U126.4 ; v1(159.83,272.06) 159.76,271.99 U237.7 157.52,271.99 154.98,269.45 U237.4 ; v1(450.8,220.21) R707.1 ; v1(46.92,70.49) 46.91,70.48 U158.7 44.42,70.48 41.88,67.94 U158.4 ; R65.2 276.94,219.14 ; v1(80.43,264.25) 80.36,264.19 U166.7 78.12,264.19 75.58,261.65 U166.4 ; v1(79.93,139.62) 79.86,139.56 U184.7 77.62,139.56 75.09,137.02 U184.4 ; 472.29,340.31 D49.1 471.11,340.31 D50.2 ; 277.82,160.48 276.65,160.48 276.64,160.49 276.64,161.37 ; v1(159.93,209.35) 159.72,209.14 U246.7 157.13,209.14 154.59,206.6 U246.4 ; U270.4 198.71,289.8 201.25,292.34 U270.7 203.84,292.34 v1(204.05,292.55) ; U310.12 25.17,374.5 v2(23.6,374.5) ; v1(119.33,161.05) 119.27,160.99 U217.7 116.53,160.99 113.99,158.45 U217.4 ; 151.75,88.05 153.79,88.05 156.33,90.59 U263.7 158.9,90.59 v1(158.93,90.55) ; v1(394.4,200.18) 395.28,200.18 ; v1(255.1,98.73) 255.98,98.73 ; U149.4 41.96,129.06 44.5,131.6 U149.7 47.06,131.6 v1(47.1,131.56) ; v1(395.44,20.04) 396.32,20.04 ; R578.2 418.4,160.41 ; 112.12,193.8 114.16,193.8 116.7,196.34 119.19,196.34 v1(119.2,196.35) ; v1(395.45,39.36) 396.33,39.36 ; 416.89,103.31 416.89,102.43 D45.1 418.07,102.42 ; U196.4 114.27,303.15 116.81,305.69 119.05,305.69 v1(119.11,305.75) ; v1(394.4,219.51) 395.28,219.51 ; v1(394.98,80.31) R610.1 ; v1(80.42,196.35) 80.41,196.34 77.92,196.34 75.38,193.8 73.34,193.8 ; U208.4 114.26,220.35 116.8,222.89 U208.7 119.03,222.89 v1(119.1,222.95) ; v1(393.6,317.98) R502.1 ; U272.4 198.71,276.89 201.25,279.44 U272.7 203.74,279.44 v1(203.75,279.45) ; v1(343.15,336.96) 344.03,336.96 ; R551.2 417.8,220.56 ; v1(347.75,118.46) 348.63,118.46 ; v1(296.1,297.4) R213.1 ; 318.15,159.29 319.61,159.29 ; D38.2 415.51,340.1 D37.1 416.69,340.09 ; v1(47.55,250.65) 47.34,250.44 44.75,250.44 42.21,247.9 U132.4 ; U284.4 198.51,194.1 201.05,196.64 U284.7 203.53,196.64 v1(203.55,196.65) ; v2(34.2,333.9) 32.42,333.9 U306.15 ; v1(80.62,279.16) 80.61,279.14 U164.7 78.12,279.14 75.58,276.6 U164.4 ; v1(80.93,285.66) 80.86,285.59 U163.7 78.12,285.59 75.58,283.05 U163.4 ; v1(255.98,38.54) 256.86,38.54 ; U155.4 41.88,87.29 44.42,89.83 U155.7 46.99,89.83 v1(47.02,89.79) ; v1(395.3,58.3) R645.1 ; 319.21,42.77 319.21,41.89 D23.1 320.39,41.88 ; v1(449.75,298.26) 450.63,298.26 ; v1(252.49,258.1) 253.37,258.1 ; U139.4 42.08,199.87 44.62,202.41 47.36,202.41 v1(47.42,202.47) ; 73.12,171.42 75.16,171.42 77.7,173.96 U191.7 80.27,173.96 v1(80.3,173.92) ; R173.2 319.39,337.58 ; U127.4 42.28,283.15 44.82,285.69 U127.7 47.56,285.69 v1(47.62,285.75) ; 370.97,41.97 D35.1 369.79,41.98 D36.2 ; v1(160.22,250.96) 160.01,250.74 U240.7 157.42,250.74 154.88,248.2 U240.4 ; v1(203.45,230.85) 203.39,230.79 U279.7 201.15,230.79 198.61,228.25 U279.4 ; 416.92,100.69 418.38,100.69 ; v1(296.24,199.54) 297.12,199.54 ; v1(347.89,80.2) 348.77,80.2 ; U162.4 75.58,289.5 78.12,292.04 U162.7 80.71,292.04 v1(80.93,292.25) ; U228.4 113.58,80.8 116.12,83.34 U228.7 118.71,83.34 v1(118.93,83.56) ; v1(203.45,272.45) 203.39,272.38 U273.7 201.15,272.38 198.61,269.85 U273.4 ; 73.34,200.25 75.38,200.25 77.92,202.79 U175.7 80.66,202.79 v1(80.72,202.85) ; v1(119.53,250.86) 119.31,250.64 U204.7 116.72,250.64 114.18,248.1 U204.4 ; v2(23.3,343) 24.98,343 U307.12 ; v1(344.41,297.94) 345.29,297.94 ; v1(159.93,202.75) 159.87,202.69 U247.7 157.13,202.69 154.59,200.15 U247.4 ; v1(159.53,167.65) 159.31,167.44 156.73,167.44 154.19,164.9 U252.4 ; v1(451.04,179) R753.1 ; v1(159.13,84.35) 158.91,84.14 156.33,84.14 153.79,81.6 U264.4 ; 276.63,220.87 D5.1 275.45,220.88 D6.2 ; v1(80.53,313.36) 80.46,313.29 U159.7 78.22,313.29 75.68,310.75 U159.4 ; U183.4 75.09,144.62 77.62,147.16 U183.7 79.86,147.16 v1(79.93,147.22) ; v1(452.33,20.29) R799.1 ; 370.99,102.31 369.82,102.31 369.81,102.31 D34.2 ; v2(42.6,367.5) 44.27,367.5 U303.12 ; R200.2 319.64,279.51 ; 39.95,94.49 41.98,94.49 44.52,97.03 U154.7 46.76,97.03 v1(46.82,97.09) ; v1(204.05,285.95) 203.99,285.88 201.25,285.88 198.71,283.35 U271.4 ; v1(203.33,189.16) 203.26,189.09 U285.7 201.02,189.09 198.48,186.55 U285.4 ; v1(393.74,259.84) 394.62,259.84 ; U305.12 23.23,321.23 v2(23.2,321.2) ; R227.2 319.64,219.91 ; v1(395.01,159.36) 395.89,159.36 ; R659.2 472.59,338.58 ; v1(450.65,239.15) 451.53,239.15 ; v1(252.39,316.8) R16.1 ; v1(80.5,167.72) 80.29,167.51 U192.7 77.7,167.51 75.16,164.97 73.12,164.97 ; v1(395,140.04) 395.88,140.04 ; v1(451.8,99.5) R761.1 ; v1(296.24,259.14) 297.12,259.14 ; v2(34.1,322.6) 34.02,322.53 U305.15 ; v1(80.24,84.06) 80.03,83.85 77.44,83.85 74.9,81.31 72.87,81.31 ; R416.2 369.84,159.91 ; 474.27,40.67 475.73,40.67 ; 277.92,39.59 279.38,39.59 ; R362.2 367.96,280.05 ; v1(296.25,278.46) 297.13,278.46 ; J2.4 v1(122.5,367.6) ; U226.4 113.68,94.45 116.22,96.99 U226.7 118.46,96.99 v1(118.53,97.06) ; v1(253.39,237.03) 254.27,237.03 ; R767.2 475.19,100.55 ; v1(346.45,158.86) 347.33,158.86 ; 475.42,42.39 474.25,42.39 474.24,42.4 474.24,43.28 ; v1(346.44,139.54) 347.32,139.54 ; v1(253.54,198.77) R70.1 ; 278.19,101.5 277.02,101.5 277.01,101.52 D10.2 ; v1(80.24,77.46) 80.18,77.4 77.44,77.4 74.9,74.86 U181.4 ; v1(296.21,138.91) 297.09,138.91 ; v1(296.06,177.18) R267.1 ; v1(252.35,296.36) 253.23,296.36 ; v1(346.3,177.8) R429.1 ; R281.2 320.09,99.88 ; v1(46.9,138.86) 46.84,138.8 U148.7 44.6,138.8 42.06,136.25 U148.4 ; v1(159.53,161.05) 159.47,160.99 U253.7 156.73,160.99 154.19,158.45 U253.4 ; R713.2 474.2,221.26 ; SW1.1 v1(116.5,379.4) ; R92.2 278.13,158.75 ; v1(452.18,58.55) R807.1 ; v1(343.14,317.64) R340.1 ; v1(252.5,277.43) 253.38,277.43 ; v1(347.73,58.13) R483.1 ; v1(347.88,19.87) R475.1 ; v1(393.45,356.25) R510.1 ; v1(450.8,200.89) 451.68,200.89 ; v1(296.55,117.76) 297.43,117.76 ; R11.2 v1(275.79,337.18) ; U239.4 154.88,254.65 157.42,257.19 U239.7 159.99,257.19 v1(160.03,257.16) ; v1(449.19,318.2) R664.1 ; v1(296.21,158.24) 297.09,158.24 ; R119.2 278.49,99.78 ; v1(345.34,238.6) R402.1
  vias: v1(275.6,280.2) v1(275.9,278.5) v1(276.7,220.9) v1(277,219.2) v1(277.8,160.5) v1(278.1,158.8) v1(278.2,101.5) v1(278.5,99.8) v1(279.1,41.3) v1(279.4,39.6) v1(319.1,339.3) v1(319.3,281.2) v1(319.3,161) v1(319.4,337.6) v1(319.4,221.6) v1(319.6,279.5) v1(319.6,159.3) v1(319.7,219.9) v1(319.8,101.6) v1(320.1,99.9) v1(320.4,41.9) v1(320.7,40.2) v1(366.2,339.7) v1(366.5,338) v1(367.29,278.84) v1(367.28,259.51) v1(367.7,281.8) v1(368,280.1) v1(368.6,222.4) v1(368.9,220.7) v1(369.5,161.6) v1(369.8,159.9) v1(371,102.3) v1(371,42) v1(371.3,100.6) v1(371.3,40.3) v1(416.7,340.1) v1(416.8,281.9) v1(417,338.4) v1(417.1,280.2) v1(417.5,222.3) v1(417.8,220.6) v1(418.1,162.1) v1(418.1,102.4) v1(418.4,160.4) v1(418.4,100.7) v1(418.5,42.1) v1(418.8,40.4) v1(472.3,340.3) v1(472.6,338.6) v1(473,282.1) v1(473.3,280.4) v1(473.9,223) v1(474.2,221.3) v1(474.3,162.8) v1(474.6,161.1) v1(474.9,102.3) v1(475.2,100.6) v1(475.4,42.4) v1(475.7,40.7)
